# KiCad board retroslop.kicad_pcb (continued)
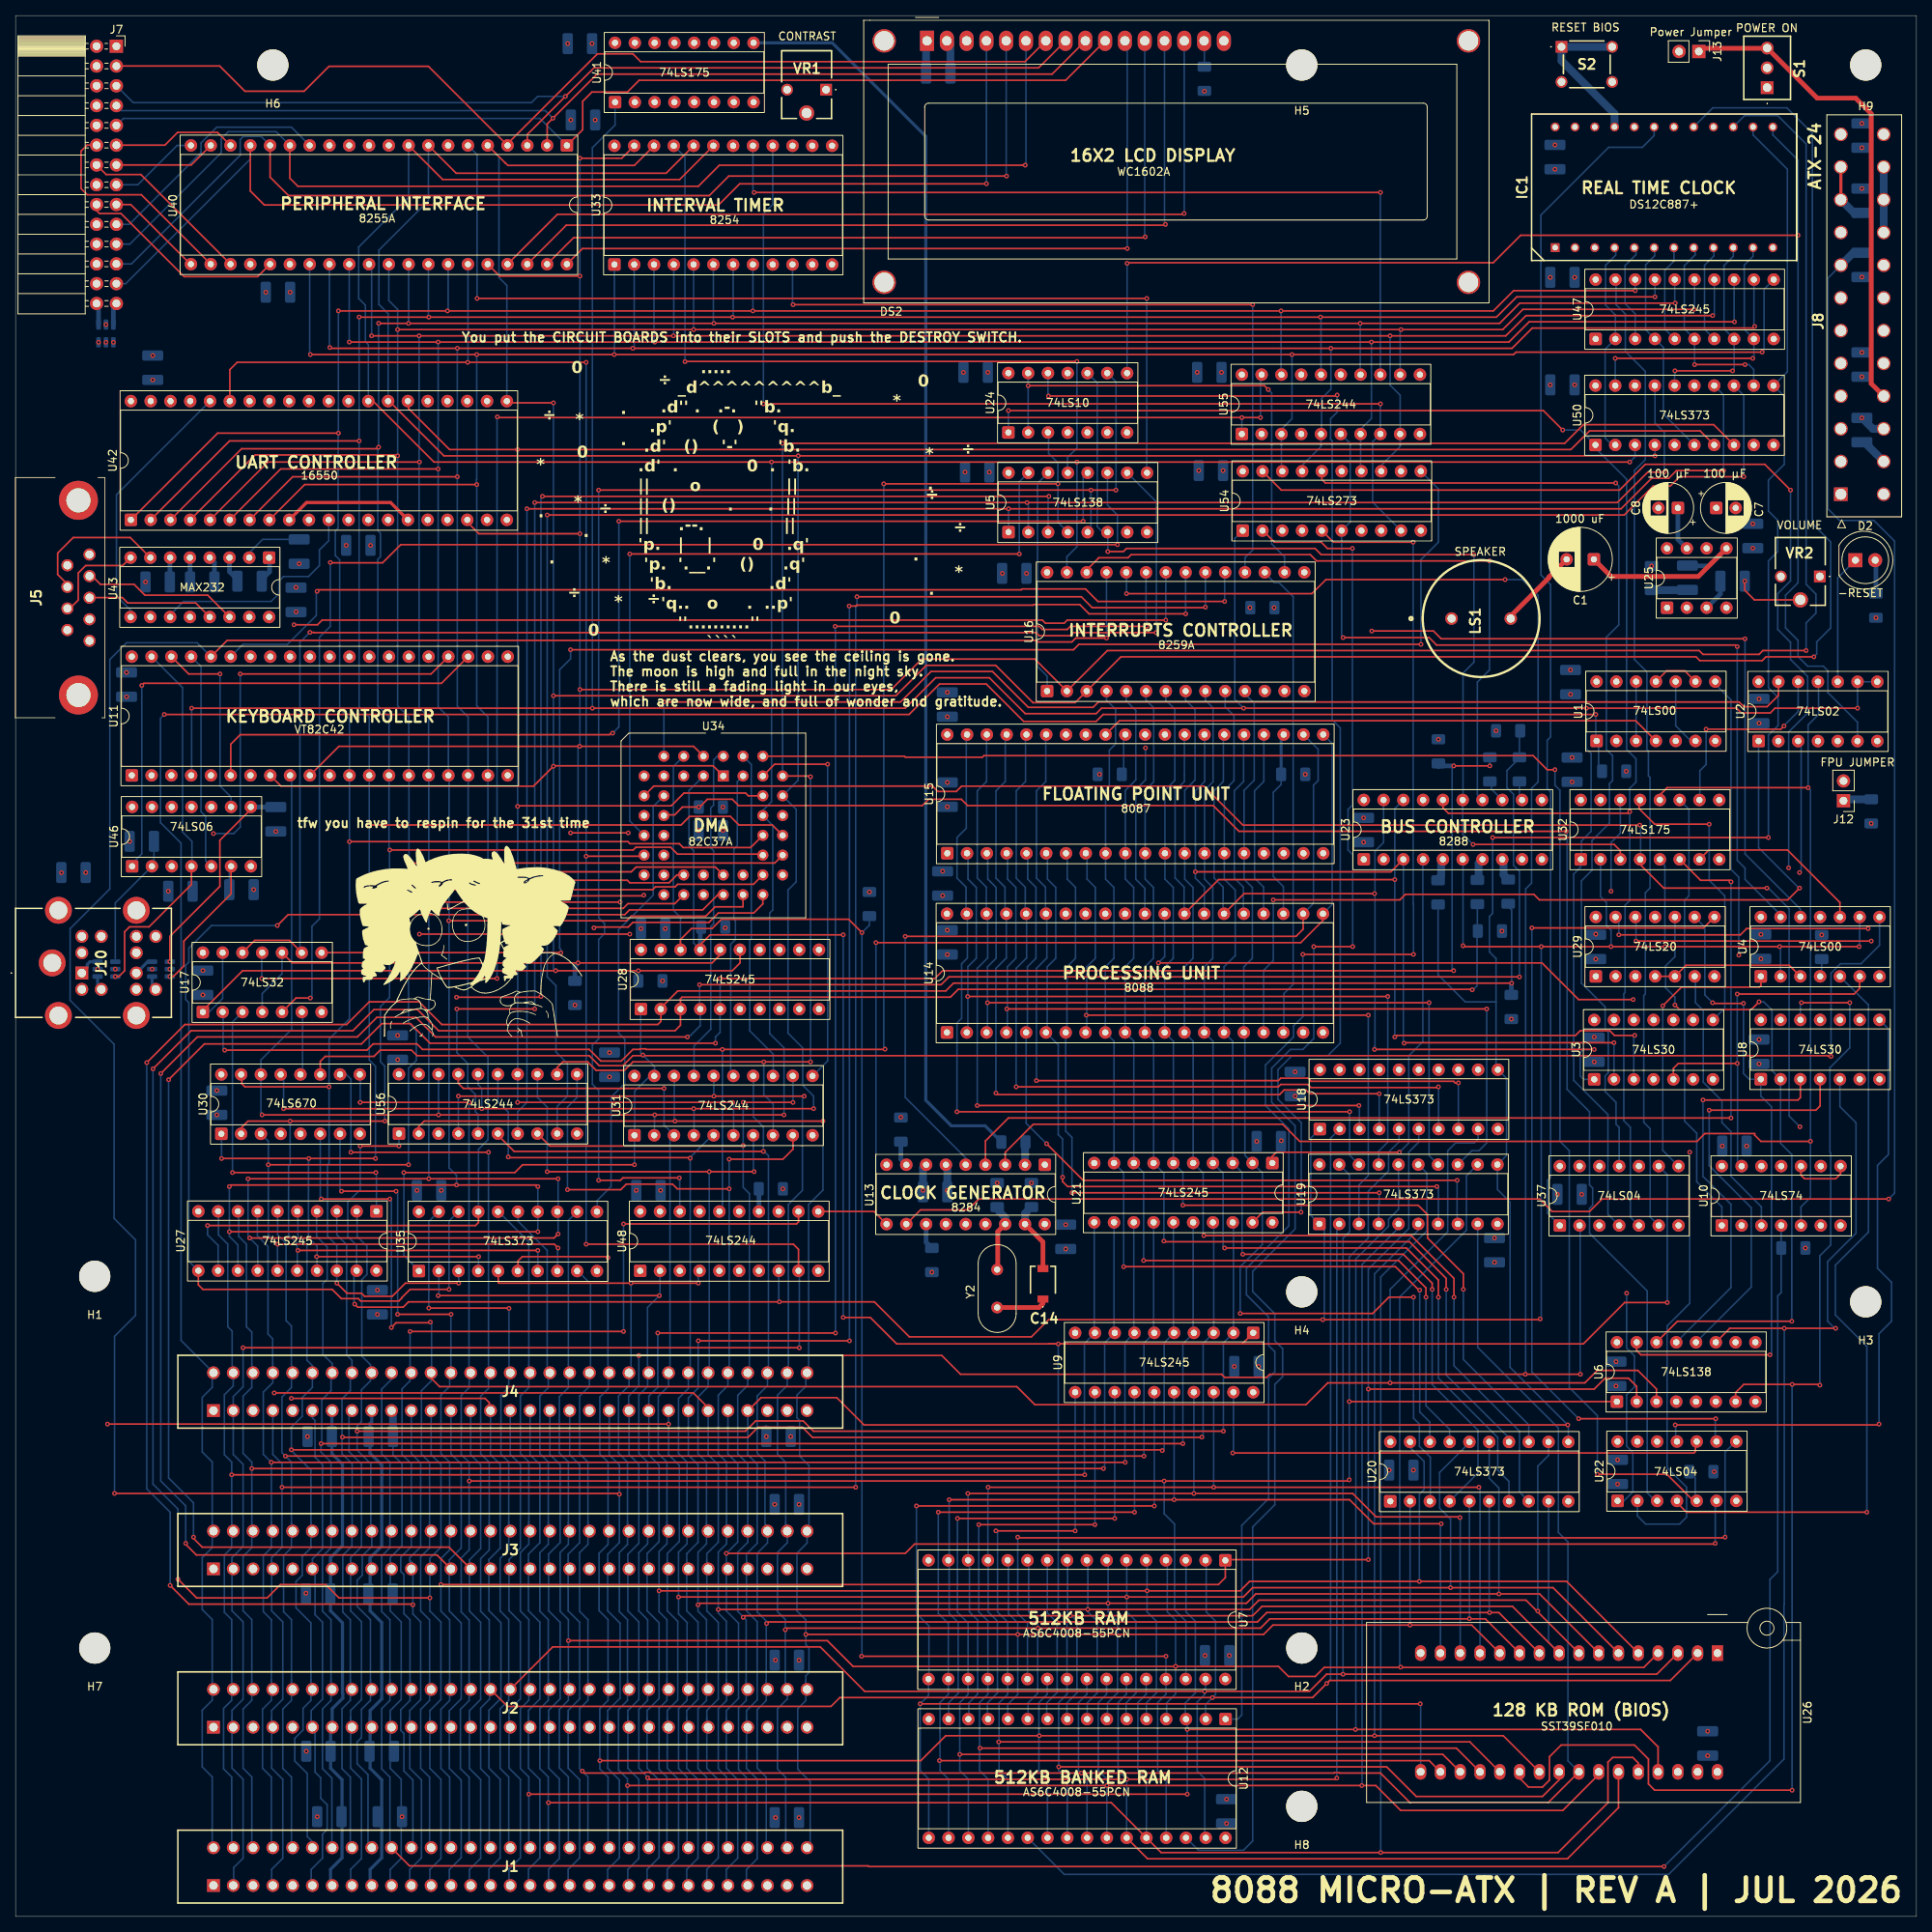
[diagram p0: board, top side]
## Routing (per net, layer and track width the routed paths; a pad name or vN(x,y) marks a point on that pad's centre or on a via; arc(x,y) is an arc through that point) (continued)
/Bus Driver/XA7: length 163.3
  Top w0.2: v1(132.64,182.29) v1(67.64,182.29) ; v1(56.6,117.99) 67.34,117.99 v1(67.44,118.09)
  In3.Cu w0.2: v1(56.6,117.99) 56.54,117.99 55.39,116.84 55.39,101.59 U56.3
  Bottom w0.2: v1(132.64,182.29) 132.54,182.19 U5.3 ; v1(67.44,118.09) 67.44,182.09 v1(67.64,182.29)
/Bus Driver/XA8: length 192.2
  Top w0.2: v1(74.84,183.09) v1(138.04,183.09) v1(141.24,183.09) ; v1(85.2,94.8) 77.95,94.8 77.64,94.49 v1(74.84,94.49)
  Bottom w0.2: U24.9 141.26,196.99 141.26,183.11 v1(141.24,183.09) ; v1(85.2,94.8) 85.2,94.53 85.26,94.47 U48.18 ; v1(74.84,183.09) 74.84,128.2 75.6,127.44 75.6,126.16 74.84,125.4 74.84,112.64 74.04,111.84 74.04,106.82 74.84,106.03 v1(74.84,94.49) ; v1(138.04,183.09) 138.04,178.11 U5.5
/Bus Driver/XA9: length 221.6
  Top w0.2: v1(26.84,111.2) 45.1,111.2 45.9,112 51.52,112 52.22,111.29 73.64,111.29 75.13,109.8 77.75,109.8 79.24,111.29 80.11,111.29 80.19,111.37 80.85,111.37 80.94,111.29 v1(90.73,111.29) 111.56,111.29 v1(111.6,111.33) ; v1(111.44,183.89) v1(133.8,183.89)
  Bottom w0.2: U48.16 90.73,90.88 v1(90.73,111.29) ; 135.16,177.69 U5.4 133.8,178.97 v1(133.8,183.89) 133.8,186.6 132.6,187.8 132.6,190.41 U24.3 ; v1(111.44,183.89) 111.44,111.49 v1(111.6,111.33) ; v1(26.84,111.2) 26.64,111.4 26.64,116.03 U17.2
/Bus Driver/XD0: length 454
  Top w0.2: U34.34 94.35,137.2 85.7,137.2 85.2,137.7 78.86,137.7 78.6,137.96 v1(42.85,137.96) ; U30.15 29.04,107.99 29.04,106.89 29.44,106.49 v1(40.24,106.49) ; U42.1 25.93,190.4 v1(41.44,190.4) ; v1(41.44,206.09) v1(55.44,206.09) v1(94.64,206.09) v1(162.44,206.09) 189.69,206.09 192.29,208.69 v1(207.9,208.69) ; v1(56.88,81.29) 50.04,81.29 48.35,79.6 44.8,79.6 44.4,80 42.53,80 v1(41.24,81.29)
  In3.Cu w0.2: U54.3 163.7,178.99 163.7,196.7 U55.18
  Bottom w0.2: v1(94.64,206.09) 94.65,206.1 U33.8 ; v1(41.24,81.29) U27.18 41.24,86.12 40.04,87.32 40.04,96.49 40.24,96.69 v1(40.24,106.49) 40.24,112.6 42.85,115.22 v1(42.85,137.96) U11.12 42.85,153.75 41.6,155 41.6,174.13 41.04,174.69 41.04,177.84 41.4,178.2 41.4,189.85 41.44,189.89 v1(41.44,190.4) v1(41.44,206.09) ; v1(56.88,81.29) 56.88,82.89 ; v1(162.44,206.09) 162.44,197.96 U55.18 ; U40.34 55.53,206.18 v1(55.44,206.09) ; v1(207.9,208.69) U47.18
/Bus Driver/XD1: length 470.8
  Top w0.2: v1(210.44,207.89) 192.69,207.89 190.09,205.29 167.51,205.29 v1(167.5,205.3) 167.49,205.29 v1(92.04,205.29) 44.11,205.29 v1(44.1,205.3) ; U42.2 27.47,189.4 v1(44.1,189.4) ; v1(59.44,84.69) v1(38.64,84.69) ; v1(26.44,97.29) v1(37.64,97.29) v1(46.2,97.29) ; v1(45.4,140.1) 85.43,140.1 86.53,141.2 91.75,141.2 92.85,140.1 97.13,140.1 U34.33
  In3.Cu w0.2: U54.4 166.24,176.79 168.14,176.79 168.78,177.43 168.78,196.7 U55.16
  Bottom w0.2: v1(59.44,84.69) 59.42,84.67 59.42,82.89 ; v1(210.44,207.89) U47.17 ; v1(167.5,205.3) 167.5,205.29 167.57,205.22 U55.16 ; v1(44.1,205.3) v1(44.1,189.4) 44.1,155.26 45.39,153.97 U11.13 45.39,140.11 v1(45.4,140.1) 45.4,109.93 46.2,109.13 v1(46.2,97.29) ; U30.1 26.44,100.43 v1(26.44,97.29) ; v1(92.04,205.29) 92.11,205.36 U33.7 ; U40.33 52.99,205.34 v1(53.04,205.29) ; v1(37.64,97.29) 37.6,97.25 37.6,87.13 38.7,86.03 U27.17
/Bus Driver/XD2: length 469.5
  Top w0.2: U42.3 29.01,188.4 46.33,188.4 46.53,188.6 v1(46.6,188.6) ; v1(48.04,136.89) 79.27,136.89 79.63,137.24 84.09,137.24 84.97,136.36 95.79,136.36 U34.32 ; v1(47.4,102.09) 29.84,102.09 28.95,101.2 U30.2 ; v1(67.04,85.49) v1(36.24,85.49) ; v1(213.04,207.09) 193.09,207.09 190.49,204.49 v1(172.6,204.49) v1(89.64,204.49) v1(50.44,204.49) 46.91,204.49 46.9,204.5 v1(46.6,204.5)
  In3.Cu w0.2: U55.14 171.44,196.7 171.44,179.21 U54.7
  Bottom w0.2: U33.6 89.57,204.56 v1(89.64,204.49) ; U47.16 212.98,207.15 v1(213.04,207.09) ; v1(35.24,102.09) 35.24,96.49 35.04,96.29 35.04,87.49 36.14,86.39 36.14,85.59 v1(36.24,85.49) 36.24,85.45 36.16,85.37 U27.16 ; v1(48.04,136.89) 47.94,137 U11.14 47.94,153.97 46.5,155.41 46.5,174.19 46.84,174.54 46.84,177.55 46.5,177.89 46.5,188.24 46.6,188.34 v1(46.6,188.6) v1(46.6,204.5) ; v1(48.04,136.89) 48.04,136.69 ; v1(48.04,136.89) 48,136.85 48,117.96 46.84,116.8 46.84,109.71 47.4,109.15 v1(47.4,102.09) ; U40.32 50.45,204.9 50.44,204.89 v1(50.44,204.49) ; U55.14 172.6,197.96 v1(172.6,204.49) ; 67.04,82.89 v1(67.04,85.49)
/Bus Driver/XD3: length 478.2
  Top w0.2: v1(50.5,135.2) 50.69,135.2 50.71,135.22 97.45,135.22 U34.31 ; v1(50.44,96.49) v1(32.44,96.49) ; v1(49.04,187.49) 48.93,187.6 30.75,187.6 U42.4 ; v1(69.64,85.8) 69.15,86.29 v1(33.64,86.29) ; v1(215.44,206.29) 193.49,206.29 190.89,203.69 v1(177.84,203.69) v1(87.04,203.69) v1(49.04,203.69)
  In3.Cu w0.2: U55.12 176.44,196.62 176.44,179.03 U54.8
  Bottom w0.2: U27.15 33.62,86.27 v1(33.64,86.29) 32.44,87.49 v1(32.44,96.49) 32.44,99.51 U30.3 ; v1(50.44,96.49) 50.44,108.89 51.44,109.89 51.44,113.69 50.44,114.69 50.44,135.14 v1(50.5,135.2) 50.5,146.47 U11.15 50.47,153.97 49.04,155.4 v1(49.04,203.69) 49.04,206.29 47.91,207.42 U40.31 ; U47.15 215.52,206.37 v1(215.44,206.29) ; v1(87.04,203.69) 87.03,203.7 U33.5 ; v1(69.64,85.8) 69.58,85.74 69.58,82.89 ; v1(177.84,203.69) 177.73,203.58 U55.12
/Bus Driver/XD4: length 496.9
  Top w0.2: v1(69.64,87.6) 69.13,87.09 v1(30.04,87.09) ; v1(217.84,205.49) 193.89,205.49 191.29,202.89 v1(176.44,202.89) v1(84.44,202.89) v1(51.8,202.89) v1(45.7,202.89) ; v1(53.04,131.8) 81.78,131.8 82.14,132.16 84.66,132.16 84.99,132.49 94.72,132.49 U34.30 ; v1(29.84,94.69) v1(69.64,94.69) ; U42.5 32.38,186.69 v1(51.84,186.69)
  Bottom w0.2: U27.14 31.08,86.05 v1(30.04,87.09) 29.84,87.29 v1(29.84,94.69) ; U54.13 175.3,186.25 177.73,188.68 U55.9 177.73,195.27 176.44,196.56 v1(176.44,202.89) ; v1(45.7,202.89) 45.7,211.76 U40.30 ; v1(69.64,87.6) 69.64,90.45 69.58,90.51 69.64,90.57 v1(69.64,94.69) 69.58,94.63 ; U33.4 84.49,203.24 84.44,203.19 v1(84.44,202.89) ; v1(53.04,94.69) v1(53.04,131.8) 53.04,146.47 U11.16 53.02,153.97 51.8,155.18 v1(51.8,202.89) ; U47.14 218.06,205.71 v1(217.84,205.49)
/Bus Driver/XD5: length 496.7
  Top w0.2: v1(67.04,87.89) v1(27.44,87.89) ; U34.26 93.38,129.6 89.8,129.6 88.6,128.4 79,128.4 78.4,127.8 v1(55.6,127.8) ; v1(54.24,185.8) 34.03,185.8 U42.6 ; v1(42.84,202.09) v1(54.24,202.09) v1(82.04,202.09) v1(174.04,202.09) 191.69,202.09 194.29,204.69 v1(220.64,204.69) ; v1(27.44,93.69) 27.64,93.89 66.84,93.89 v1(67.04,93.69)
  Bottom w0.2: v1(174.04,202.09) 174.04,192.28 172.65,190.89 U55.7 172.65,185.62 U54.14 ; U47.13 220.6,204.73 v1(220.64,204.69) ; v1(67.04,87.89) v1(67.04,93.69) ; U27.13 28.54,86.19 27.44,87.29 v1(27.44,93.69) ; v1(42.84,202.09) 42.83,202.1 U40.29 ; U33.3 81.95,202.18 v1(82.04,202.09) ; v1(54.24,202.09) 54.24,155.28 55.56,153.97 U11.17 55.64,146.47 55.64,127.84 v1(55.6,127.8) 55.64,127.76 55.64,96.09 56.6,95.13 v1(56.6,93.89)
/Bus Driver/XD6: length 447.2
  Top w0.2: v1(56.7,184.8) 35.57,184.8 U42.7 ; v1(223.24,204.09) 223.04,203.89 194.69,203.89 192.09,201.29 v1(168.84,201.29) v1(79.24,201.29) 56.71,201.29 v1(56.7,201.3) 56.69,201.29 40.44,201.29 v1(40.34,201.39) ; v1(58.04,134.09) 79.04,134.09 79.65,134.7 89.83,134.7 U34.25 ; 59.42,90.51 59.42,89.07 59.04,88.69 v1(24.64,88.69)
  Bottom w0.2: 59.42,90.51 59.42,98.47 60.64,99.69 60.64,110.29 58.04,112.89 v1(58.04,134.09) 58.09,134.15 U11.18 58.09,153.97 56.7,155.36 v1(56.7,201.3) ; v1(40.34,201.39) 40.34,201.49 40.29,201.54 U40.28 ; U33.2 79.41,201.46 v1(79.24,201.29) ; U54.17 165.14,186.25 167.57,188.68 U55.5 167.57,190.89 167.64,190.96 167.64,194.84 168.84,196.04 v1(168.84,201.29) ; v1(24.64,88.69) 24.64,87.49 26,86.13 U27.12 ; U47.12 223.14,204.19 v1(223.24,204.09)
/Bus Driver/XD7: length 496.2
  Top w0.2: U27.11 23.46,81.07 24.04,80.49 40.64,80.49 41.83,79.3 44,79.3 44.3,79 49.2,79 49.58,79.38 49.58,79.43 50.64,80.49 v1(55.64,80.49) ; U42.8 37.11,183.8 v1(59.2,183.8) ; U34.24 90.15,131.15 88.2,129.2 78.8,129.2 78.2,128.6 v1(60.73,128.6) 35,128.6 v1(33.6,127.2) ; v1(224.2,200.8) 192.6,200.8 192.29,200.49 v1(163.84,200.49) v1(76.84,200.49) v1(59.19,200.49) v1(37.84,200.49)
  Bottom w0.2: v1(37.84,200.49) 37.84,200.69 37.75,200.78 U40.27 ; v1(76.84,200.49) 76.87,200.52 U33.1 ; U27.11 22.24,84.11 22.24,117.29 21.84,117.69 21.84,122.09 22.24,122.49 22.24,124.29 25.15,127.2 v1(33.6,127.2) ; U47.11 224.44,208.87 224.44,201.04 v1(224.2,200.8) ; U54.18 162.49,185.62 U55.3 162.49,190.89 163.84,192.24 v1(163.84,200.49) ; v1(59.19,200.49) 59.19,184.44 59.14,184.39 59.14,183.86 v1(59.2,183.8) 59.2,178.8 59.19,178.8 59.19,155.41 60.64,153.97 60.64,130.29 60.64,130.29 60.64,128.69 v1(60.73,128.6) ; 55.64,80.29 v1(55.64,80.49) 55.64,89.27 56.88,90.51
/Bus Driver/~{DMA AEN}: length 284.9
  Top w0.2: U30.11 39.11,109.76 39.75,110.4 46,110.4 46.8,111.2 50.81,111.2 51.53,110.49 73.64,110.49 74.93,109.2 77.95,109.2 79.24,110.49 80.24,110.49 ; v1(233.04,110.4) 232.73,110.4 232.64,110.49 80.61,110.49 v1(80.52,110.57) ; v1(49.84,95.49) 64.09,95.49 65.09,96.49 v1(79.44,96.49)
  Bottom w0.2: U4.8 239.26,124.66 236.89,122.29 234.24,122.29 233.04,121.09 v1(233.04,110.4) ; v1(79.44,96.49) 79.44,100.25 79.47,100.28 79.47,105.92 81.45,107.91 82.01,107.91 82.01,109.09 v1(80.52,110.57) 80.24,110.85 80.24,116.44 U28.1 ; v1(49.84,95.49) 49.84,84.85 51.8,82.89
/Device Decoder/~{AEN}: length 130.5
  Top w0.2: v1(187.09,137.6) 205.2,137.6 205.99,136.81 U32.3 ; v1(140.2,175.2) 142.2,175.2 142.6,175.6 166.8,175.6 167.6,174.8 v1(187.2,174.8)
  Bottom w0.2: v1(140.2,175.2) 140.2,177.65 U5.6 139.56,177.69 138.85,178.39 138.85,196.86 U24.10 ; v1(187.2,174.8) 187.2,161 185.8,159.6 185.8,143.35 U23.15 185.76,138.93 v1(187.09,137.6)
/Device Decoder/~{MEM_ADDR_SEL}: length 68.5
  Top w0.2: 215.64,60.89 215.64,59.69 215.44,59.49 v1(156.24,59.49)
  Bottom w0.2: v1(156.24,59.49) 156.33,59.58 U9.19
/Device Decoder/~{PIC CS}: length 29.1
  Bottom w0.2: U5.14 131.18,183.95 131.18,160.44 132.41,159.21 U16.1
/Device Decoder/~{RAM_BANK_CS}: length 211.4
  Top w0.2: U6.11 220.04,75.49 v1(227.04,75.49) v1(233.64,75.49)
  Bottom w0.2: v1(233.64,75.49) 233.51,75.49 232.6,76.4 232.6,84.05 236.24,87.69 236.24,101.89 234.18,103.95 U8.5 ; v1(227.04,75.49) 227.04,40.04 227,40 227,20.2 212.2,5.4 134.61,5.4 U12.22
/Device Decoder/~{RAM_CS}: length 122.3
  Top w0.2: v1(219.44,48.69) 219.35,48.6 128.73,48.6 v1(128.64,48.69)
  Bottom w0.2: v1(128.64,48.69) 128.64,38.89 129.89,37.64 U7.22 ; 220.72,60.89 219.44,59.61 v1(219.44,48.69)
/Device Decoder/~{ROM_CS}: length 168.3
  Top w0.2: v1(231.6,68.2) 231.51,68.29 221.84,68.29 220.79,67.24 U6.7 ; v1(228.04,16.2) 210.4,16.2 209.6,17 209.6,20.2 207.8,22 198.4,22 196.9,20.5 196.9,17.5 196,16.6 194.21,16.6 193.06,17.75 U26.22 ; v1(235.44,117.29) v1(229.24,117.29)
  Bottom w0.2: U8.12 229.1,117.15 v1(229.24,117.29) ; v1(235.44,117.29) 235.44,111.49 232.9,108.95 232.9,98.1 233,98 233,86.2 231.6,84.8 v1(231.6,68.2) ; v1(228.04,16.2) 228.04,68.28 v1(228.05,68.29)
/DMA/DA4: length 49.7
  Top w0.2: v1(104.24,147.9) 97.43,147.9 U34.41
  Bottom w0.2: v1(104.24,147.9) 104.24,109.81 102.33,107.91
/DMA/DA5: length 42.8
  Bottom w0.2: U34.42 94.44,147.87 94.44,125.49 94.24,125.29 94.24,113.69 97.25,110.68 97.25,107.91
/DMA/DA6: length 39.5
  Bottom w0.2: 92.17,107.91 91.8,108.28 91.8,124.8 92.4,125.4 92.4,127.8 92.2,128 92.2,137 92.64,137.44 92.64,145.65 U34.43
/DMA/DA7: length 43.3
  Bottom w0.2: 87.09,107.91 87.09,111.74 89.24,113.89 89.24,127.07 89.6,127.43 89.6,136.8 89.24,137.16 89.24,142.29 89.6,142.65 89.6,148.45 90.08,148.93 U34.44
/DMA/DRQ1: length 150.6
  Top w0.2: v1(71.2,133) 78.53,133 78.85,132.68 83.88,132.68 84.89,133.69 U34.21
  In3.Cu w0.2: v1(71.2,133) 71.2,122.25 70.64,121.69 70.64,100.09 71.84,98.89 71.84,92.49 70.8,91.45 70.8,80.34 69.84,79.38 69.84,68.11 68.58,66.85 J4.18
  Bottom w0.2: 68.42,45.77 68.42,39.24 69.9,37.75 69.9,27.93 68.42,26.45 68.42,25.15 ; 68.42,25.57 68.42,19.03 69.8,17.66 69.8,7.43 68.42,6.05 68.42,4.13 J1.18 ; J4.18 68.58,59.3 69.9,57.98 69.9,47.99 68.42,46.51 68.42,45.38
/DMA/DRQ2: length 170.7
  Top w0.2: v1(54.29,129.4) 78,129.4 78.6,130 84.61,130 U34.20
  In3.Cu w0.2: v1(54.29,129.4) 54.2,129.31 54.2,111.01 53.19,110 53.19,96.84 50.64,94.29 50.64,92.49 48.44,90.29 48.44,77.89 44.42,73.87 44.42,69.07 43.44,68.09 40.07,68.09 38.1,66.12 J4.6
  Bottom w0.2: J1.6 37.95,4.12 37.95,6.03 39.4,7.48 39.4,10.56 40,11.16 40,14.33 39.17,15.16 39.17,17.8 38.44,18.53 38.44,23.69 37.95,24.18 37.95,25.55 ; J4.6 38.1,63.99 38.44,63.65 38.44,58.96 39.4,57.99 39.4,47.2 38.1,45.9 J3.6 38.44,44.27 38.44,38.73 39.4,37.77 39.4,27.88 37.95,26.43 37.95,25.13
/DMA/DRQ3: length 154.5
  Top w0.2: v1(80.64,131.09) 80.55,131 v1(63.24,131)
  In3.Cu w0.2: v1(80.64,131.09) 80.64,131.11 U34.19 ; J4.16 63.5,66.97 64.8,68.27 64.8,79.56 65.64,80.4 65.64,118.56 63.24,120.96 v1(63.24,131)
  Bottom w0.2: 63.34,45.39 63.34,45.82 64.8,47.28 64.8,58.01 63.5,59.31 J4.16 ; 63.34,45.78 63.34,39.25 64.8,37.78 64.8,27.92 63.34,26.46 63.34,25.16 ; 63.34,25.58 63.34,19.04 64.8,17.59 64.8,7.52 63.34,6.06 63.34,4.13 J1.16
/DMA/RDY TO DMA: length 156.4
  Top w0.2: v1(83.24,155.89) 113.6,155.89 117.51,159.8 125.4,159.8 130,155.2 138.31,155.2 139,155.89 221.24,155.89 221.84,155.29 224.84,155.29 226.28,156.73 U2.13
  Bottom w0.2: U34.6 83.22,155.87 v1(83.24,155.89)
/DMA/Terminal Count: length 197.9
  Top w0.2: v1(218.18,47.89) 218.09,47.8 115.4,47.8 114.2,46.6 v1(91.24,46.6)
  Bottom w0.2: 91.24,25.54 91.24,19.01 92.7,17.55 92.7,7.48 91.24,6.02 91.24,4.17 J1.27 ; 91.24,25.12 91.24,26.42 92.8,27.98 92.8,37.65 91.24,39.21 v1(91.24,46.6) 92.7,48.06 92.7,58.1 91.44,59.36 J4.27 ; v1(218.18,47.89) 218.18,53.27
/DMA/~{DACK0}: length 153.8
  Top w0.2: v1(74.24,126.89) 74.35,127 78.64,127 79.24,127.6 89,127.6 90.2,128.8 94.75,128.8 95.92,129.97 U34.28
  In3.Cu w0.2: J4.19 71.12,66.59 72.4,67.87 72.4,79.16 73.4,80.16 73.4,84.36 72.2,85.56 72.2,87.36 73.44,88.6 73.44,125.09 74.24,125.89 v1(74.24,126.89)
  Bottom w0.2: J4.19 71.12,59.26 72.4,57.98 72.4,47.97 70.93,46.5 70.93,45.37 ; 70.93,45.76 70.93,39.23 72.4,37.76 72.4,27.91 70.93,26.44 70.93,25.14 ; J1.19 70.93,4.16 70.93,6.04 72.4,7.51 72.4,17.56 70.93,19.03 70.93,25.56
/DMA/~{DACK1}: length 168.4
  Top w0.2: v1(78.64,139.09) v1(71.24,139.09)
  In3.Cu w0.2: U34.27 90.98,136.09 85.64,136.09 84.24,137.49 80.24,137.49 v1(78.64,139.09) ; J4.17 66.04,66.91 67.3,68.17 67.3,79.46 68.2,80.36 68.2,93.93 66.64,95.49 66.64,97.49 68.44,99.29 68.44,100.02 68.43,100.03 68.43,100.94 68.44,100.95 68.44,107.64 68.43,107.65 68.43,108.56 68.44,108.57 68.44,119.36 67.2,120.6 67.2,135.05 v1(71.24,139.09)
  Bottom w0.2: 65.84,45.38 65.84,46.51 67.3,47.97 67.3,58 66.04,59.26 J4.17 ; 65.84,25.15 65.84,26.45 67.3,27.91 67.3,37.78 65.84,39.24 65.84,45.77 ; 65.84,25.57 65.84,19.03 67.3,17.57 67.3,7.51 65.84,6.05 65.84,4.17 J1.17
/DMA/~{DACK2}: length 232
  Top w0.2: v1(49.04,130.29) 49.13,130.2 v1(77.6,130.2) ; J4.26 88.74,65.09 88.74,65.46 87,67.2 v1(33.2,67.2)
  In3.Cu w0.2: v1(33.2,67.2) 33.2,67.4 34.2,68.4 34.2,71.45 35.06,72.31 35.06,99.43 U30.4 33.24,101.25 33.24,105.09 35.24,107.09 35.24,108.89 49.04,122.69 v1(49.04,130.29) ; v1(77.6,130.2) 77.69,130.29 78.23,130.29 78.84,130.9 78.84,134.09 79.64,134.89 81.64,134.89 82.98,136.23 U34.16
  Bottom w0.2: 88.73,25.13 88.73,26.43 90.2,27.9 90.2,37.75 88.73,39.22 88.73,45.75 ; J1.26 88.73,4.14 88.73,6.03 90.2,7.5 90.2,17.55 88.73,19.02 88.73,25.55 ; 88.73,45.36 88.73,46.57 90.2,48.04 90.2,57.97 88.9,59.27 J4.26
/DMA/~{DACK3}: length 193.1
  Top w0.2: v1(35.4,66.5) 60.26,66.5 60.8,65.96 60.8,65.09 J4.15 ; v1(78.84,126.09) v1(51.84,126.09)
  In3.Cu w0.2: v1(51.84,126.09) 51.84,122.69 43.04,113.89 43.04,107.64 36.57,101.17 U30.5 36.57,91.66 37.4,90.83 37.4,82.2 36.8,81.6 36.8,68 35.4,66.6 v1(35.4,66.5) ; v1(78.84,126.09) 78.84,126.77 U34.18
  Bottom w0.2: 60.76,45.39 60.76,45.82 62.2,47.26 62.2,58.03 60.96,59.27 J4.15 ; 60.76,25.58 60.76,19.04 62.2,17.6 62.2,7.5 60.76,6.06 60.76,4.17 J1.15 ; 60.76,25.16 60.76,26.46 62.3,28 62.3,37.71 60.76,39.25 60.76,45.78
/DMA/~{HRQ DMA}: length 98.8
  Top w0.2: v1(237.64,51.89) 214.48,51.89 213.1,53.27
  Bottom w0.2: v1(237.64,51.89) 237.64,73.16 233.6,77.2 233.6,83.6 237.84,87.84 237.84,117.01 U4.5
/Flag Registers/ALLOW NMI: length 248
  Top w0.2: U54.19 162.48,183.09 205.89,183.09 209.2,186.4 224.53,186.4 v1(227.84,183.09)
  In3.Cu w0.2: U22.13 209.4,62.18 209.4,78.6 215,84.2 233.6,84.2 237,87.6 237,97.2 231.4,102.8 227.6,102.8 225.2,105.2 225.2,116.4 227.8,119 227.8,134.2 227.6,134.4 v1(227.6,134.6) ; U55.17 165.03,198.93 164.47,199.49 161.84,199.49 161.24,198.89 161.24,196.76 162.2,195.8 162.2,192.16 161.24,191.2 161.24,186.69 U54.19
  Bottom w0.2: v1(227.6,134.6) 227.6,152.05 230.04,154.49 230.04,159.16 227.84,161.36 227.84,163.56 226.2,165.2 226.2,169.8 227.84,171.44 v1(227.84,183.09)
/Flag Registers/BA0: length 216.9
  Top w0.2: v1(171.6,175.6) 168.4,175.6 167.6,176.4 161.6,176.4 160.11,177.89 U54.2 ; v1(166.64,124.49) v1(171.64,124.49) 171.84,124.49
  In3.Cu w0.2: U55.2 158.96,189.3 158.96,178.99 U54.2
  Bottom w0.2: U12.30 151.84,8.49 157.6,8.49 158.8,9.69 158.8,50 161.64,52.84 161.64,68.29 162.64,69.29 162.64,72.89 161.64,73.89 161.64,77.36 158.8,80.2 158.8,82.8 164.24,88.24 164.24,101.49 161.24,104.49 161.24,108.89 163.64,111.29 165.24,111.29 166.64,112.69 v1(166.64,124.49) ; v1(171.64,124.49) 171.64,136.29 171.04,136.89 171.04,142.09 171.6,142.65 v1(171.6,175.6)
/Flag Registers/BA1: length 201.8
  Top w0.2: v1(165.24,123.49) v1(179.44,123.49) ; v1(179.4,176.4) 169.17,176.4 U54.5
  In3.Cu w0.2: U54.5 166.24,179.33 166.24,186.89 165.03,188.1 U55.4
  Bottom w0.2: 165.24,123.69 v1(165.24,123.49) 165.24,115.51 164.04,114.31 164.04,112.89 160.44,109.29 160.44,104.09 163.44,101.09 163.44,88.64 158,83.2 158,79.8 160.84,76.96 160.84,73.29 161.64,72.49 161.64,69.89 160.84,69.09 160.84,53.64 157.4,50.2 157.4,25.85 156.88,25.33 U12.1 ; v1(179.4,176.4) 179.4,130.01 179.44,129.97 v1(179.44,123.49)
/Flag Registers/ENABLE IO CK: length 151.3
  Top w0.2: U54.16 167.68,184.45 168.13,184 v1(205.4,184)
  In3.Cu w0.2: U55.15 170.11,199.05 169.6,199.56 166.8,199.56 166.24,199 166.24,188.49 167.68,187.05 U54.16
  Bottom w0.2: U37.11 205.84,101.29 205.44,101.69 205.44,104.49 204.04,105.89 204.04,107.89 204.44,108.29 204.44,113.49 204.04,113.89 204.04,116.76 201,119.8 201,132.93 202.35,134.28 202.35,138.1 204.6,140.35 204.6,145.4 205,145.8 205,149 204.2,149.8 204.2,164.2 205.8,165.8 205.8,183.6 v1(205.4,184)
/Flag Registers/I/O CH CK: length 58.5
  In3.Cu w0.2: U1.12 208.02,158.98 186.69,180.31 186.69,191.49 U55.11
  Bottom w0.2: U1.3 U1.12
/Flag Registers/SPKR EN: length 115.8
  Top w0.2: v1(170.4,164.16) 181.44,164.16 182.4,163.2 220.8,163.2 v1(221,163)
  Bottom w0.2: U55.6 171.32,189.08 171.32,178.99 U54.6 170.22,164.34 v1(170.4,164.16) ; 226.04,128.29 U4.13 226.56,128.56 222,133.12 222,134.56 221,135.56 v1(221,163)
/Flag Registers/SPKR GATE: length 131.1
  Top w0.2: U33.16 97.24,227.24 ; v1(96,194.16) v1(175.2,194.16)
  Bottom w0.2: v1(96,194.16) 96,218.56 97.19,219.75 U33.16 ; v1(175.2,194.16) 175.2,193.76 175.19,193.75 U55.8 174.2,189.3 174.2,181.53 U54.9
/Flag Registers/SPKR OUT: length 230.7
  Top w0.2: v1(175.2,221.3) 175.19,221.29 v1(94.8,221.29) ; v1(222,164) 183,164 182,165 v1(174.09,165)
  In3.Cu w0.2: U55.13 174.09,196.81 v1(174.09,165)
  Bottom w0.2: v1(94.8,221.29) 94.65,221.44 U33.17 ; v1(175.2,221.3) 175.2,221.05 175.19,221.04 U55.13 ; 229.1,128.83 U4.12 229.1,129.3 222,136.4 v1(222,164)
/ISA BUS/I/O CH RDY: length 317.6
  Top w0.2: v1(211.6,6.4) 109.53,6.4 109.44,6.49 50.56,6.49 48.1,8.95
  Bottom w0.2: v1(211.6,6.4) 225.2,20 225.2,43.25 226.2,44.25 226.2,79.65 226.64,80.09 U10.4 ; 48.05,50.6 48.05,47.31 47,46.26 47,39.13 48.05,38.08 48.05,29.98 ; 48.05,50.21 48.05,58.31 47,59.36 47,67.69 48.26,68.95 J4.41 ; 48.05,30.4 48.05,27.72 47,26.67 47,18.93 48.05,17.88 48.05,9.03 J1.41
/ISA BUS/~{HRQ I/O CH}: length 65.5
  Bottom w0.2: 43.01,25.14 43.01,26.44 44.4,27.83 44.4,37.84 43.01,39.23 43.01,45.76 ; J4.8 42.8,64.55 42.8,59.66 44.4,58.06 44.4,47.45 43.01,46.06 43.01,45.37 ; 43.01,25.56 43.01,19.03 44.4,17.64 44.4,7.43 43.01,6.04 43.01,4.14 J1.8
/ISA BUS/~{I/O CH CK}: length 347.1
  Top w0.2: v1(19.09,154.29) 114.69,154.29 118.6,158.2 124.6,158.2 129.4,153.4 138.71,153.4 139.6,154.29 v1(202.84,154.29)
  Bottom w0.2: J4.32 21.24,73.94 21.24,137.76 18.6,140.4 18.6,153.8 v1(19.09,154.29) ; 25.24,50.63 25.24,47.34 23.96,46.06 23.96,39.39 25.24,38.11 25.24,30.01 ; 25.24,30.43 25.24,27.75 23.96,26.47 23.96,19.19 25.24,17.91 25.24,8.98 J1.32 ; R30.2 203.2,147.45 203.2,150.63 U1.1 202.84,150.99 v1(202.84,154.29) ; 25.24,68.97 25.24,67.9 23.96,66.62 23.96,59.62 25.24,58.34 25.24,50.24
/Keyboard/KEYBOARD CLOCK: length 43.5
  Top w0.2: v1(19.8,120.65) 20.25,120.65 21.6,122 21.6,125.2 27.66,131.26 U46.6
  In3.Cu w0.2: U11.1 16.24,145.14 16.24,141.36 17.2,140.4 27,140.4 27.66,139.74 U46.6
  Bottom w0.2: C70.1 27.44,134.58 U46.6
/Keyboard/KEYBOARD DATA: length 78.3
  Top w0.2: v1(19.8,122.55) 19.8,125.8 26.22,132.22 26.22,138.13 30.2,142.11 U46.8
  In3.Cu w0.2: U46.8 30.2,143 29.4,143.8 20.04,143.8 18.64,145.2 18.64,148.09 22.04,151.49 37.72,151.49 U11.27
  Bottom w0.6: U46.8 30.22,142.4 C50.1
/Keyboard/MOUSE CLOCK: length 52.3
  Top w0.2: v1(12.8,120.65) 13.25,120.65 14,121.4 14,126.4 14.62,127.03 17.12,127.03 22.58,132.48 U46.4
  Bottom w0.2: U11.39 21.44,157.73 21.44,139.2 22.64,138 22.64,134.86 U46.4 22.58,131.75 C71.1
/Keyboard/MOUSE DATA: length 73.3
  In3.Cu w0.2: U46.2 17.5,138.43 15.93,140 14.2,140 12.04,142.16 12.04,149.09 19.84,156.89 40.58,156.89 U11.28
  Bottom w0.2: C83.1 17.76,135.06 U46.2 12.8,130.1 12.8,122.9
/Pinout/PA0: length 132.7
  Top w0.2: DS2.7 129.57,238.09 80.24,238.09 79.24,239.09 74.69,239.09 63.15,227.55 U40.4 52.99,237.49 40.24,237.49 37.04,234.29 29.44,234.29 26.2,237.53 12.94,237.53
/Pinout/PA1: length 134.3
  Top w0.2: U40.3 65.69,228.74 v1(70.58,233.62) 74.24,237.29 131.31,237.29 DS2.8
  Bottom w0.2: v1(70.58,233.62) 67.03,233.62 66.22,232.82 15.1,232.82 J7.5
/Pinout/PA2: length 133
  Top w0.2: DS2.9 133.05,236.49 74.64,236.49 68.24,230.09 68.24,227.34 U40.2
  Bottom w0.2: J7.7 13.59,231.8 68,231.8 v1(68.97,230.82)
/Pinout/PA3: length 136.4
  Top w0.2: DS2.10 134.79,235.69 80.04,235.69 78.54,234.19 73.99,234.19 72.8,233 72.8,229.36 U40.1
  Bottom w0.2: U40.1 67.3,230.8 13.84,230.8 J7.9
/Pinout/PA4: length 172
  Top w0.2: v1(142.7,214.1) 142.32,214.1 142.31,214.09 72.77,214.09 U40.40
  In3.Cu w0.2: U40.40 56.97,225.89 56.97,227.76 49.57,235.16 35.4,235.16 34.84,234.6 30.2,234.6 29.64,235.16 18.6,235.16 17.38,236.38 11.55,236.38 10.4,237.53
  Bottom w0.2: DS2.11 142.7,240.46 v1(142.7,214.1)
/Pinout/PA5: length 172.1
  Top w0.2: U40.39 71.63,215.49 144.89,215.49 v1(145,215.6)
  In3.Cu w0.2: J7.6 11.55,233.84 48.89,233.84 54.43,228.3 54.43,225.89 U40.39
  Bottom w0.2: v1(145,215.6) 144.94,215.66 DS2.12
/Pinout/PA6: length 173
  Top w0.2: v1(147.6,217.2) 147.49,217.09 70.69,217.09 U40.38
  In3.Cu w0.2: U40.38 51.89,225.89 51.89,228.64 49.23,231.3 11.55,231.3 J7.8
  Bottom w0.2: v1(147.6,217.2) 147.48,217.32 DS2.13
/Pinout/PA7: length 172.8
  Top w0.2: U40.37 69.55,218.49 149.89,218.49 v1(150,218.6)
  In3.Cu w0.2: J7.10 11.55,228.75 48.17,228.75 49.24,227.69 49.24,226 U40.37
  Bottom w0.2: v1(150,218.6) 150.02,218.62 DS2.14
/Pinout/PB0: length 16
  Top w0.2: J7.11 19.16,227.37 20.8,229 25.92,229 U40.18
/Pinout/PB1: length 13.1
  Top w0.2: J7.13 22.55,224.82 U40.19
/Pinout/PB2: length 11.7
  Bottom w0.2: U40.20 20.73,227.33 15.69,222.28 J7.15
/Pinout/PB3: length 12.9
  Top w0.2: 12.74,219.75 14.78,219.75 22.44,212.09 U40.21
/Pinout/PB4: length 27.8
  Top w0.2: U40.22 16.14,221 9.2,221 8.4,221.8 8.4,226.6 9.16,227.37 J7.12
/Pinout/PB5: length 22.5
  Top w0.2: J7.14 11.62,223.6 16.08,223.6 U40.23
/Pinout/PB6: length 38.4
  In3.Cu w0.2: U40.24 26.44,208.4 8.6,208.4 7.8,209.2 7.8,219.69 J7.16
/Pinout/PB7: length 26.7
  Top w0.2: 10.2,219.16 10.77,218.59 13.53,218.59 21.64,210.49 31.07,210.49 U40.25
/Pinout/PC0: length 31.7
  Bottom w0.2: U40.14 35.41,229.68 25.83,229.68 23.8,227.65 23.8,226.4 14.6,217.2 J7.19
/Pinout/PC1: length 146.2
  Top w0.2: U40.15 35.21,223.12 36.24,222.09 87.64,222.09 90.34,224.79 129.19,224.79 129.2,224.8 v1(129.6,224.8)
  Bottom w0.2: DS2.6 129.7,224.9 v1(129.6,224.8) ; 12.94,214.66 14.66,214.66 26.4,226.4 26.4,228.2 27.29,229.09 33.45,229.09 U40.15
/Pinout/PC2: length 146.2
  Top w0.2: U40.16 32.67,223.26 35.04,220.89 89.04,220.89 91.55,223.4 v1(127.2,223.4)
  Bottom w0.2: U40.16 31.5,228.5 29.25,228.5 28.83,228.08 28.83,226.08 14.88,212.12 J7.23 ; DS2.5 127.16,223.44 v1(127.2,223.4)
/Pinout/PC3: length 146.1
  Top w0.2: v1(124.62,222.42) 124.6,222.4 92.95,222.4 90.24,219.69 31.93,219.69 30.13,221.49 U40.17
  Bottom w0.2: v1(124.62,222.42) DS2.4 ; J7.25 14.13,209.59 30.13,225.58 U40.17
/Pinout/PC4: length 38.5
  In3.Cu w0.2: 10.2,217.2 11.39,218.4 38.55,218.4 40.29,220.14 U40.13
/Pinout/PC5: length 42.1
  In3.Cu w0.2: U40.12 42.83,220.08 38.75,216 11.54,216 10.2,214.66
/Pinout/PC6: length 45.1
  In3.Cu w0.2: J7.24 11.68,213.4 14.4,213.4 15.89,214.89 39.44,214.89 45.37,220.82 U40.11
/Pinout/PC7: length 48.5
  In3.Cu w0.2: J7.26 11.61,210.8 14.2,210.8 17.29,213.89 40.64,213.89 47.91,221.16 U40.10
